# Altium PCB shield.pcbdoc (part 2 of 2)
Units mm, origin at the board's own origin, x right, y up, seen from the top; angles counter-clockwise.
Board outline 68.58 x 53.34 mm, 2 copper layers (Top Layer, Bottom Layer), stack 0.981 mm thick; 66 components, 65 nets, 332 pads, 495 vias.
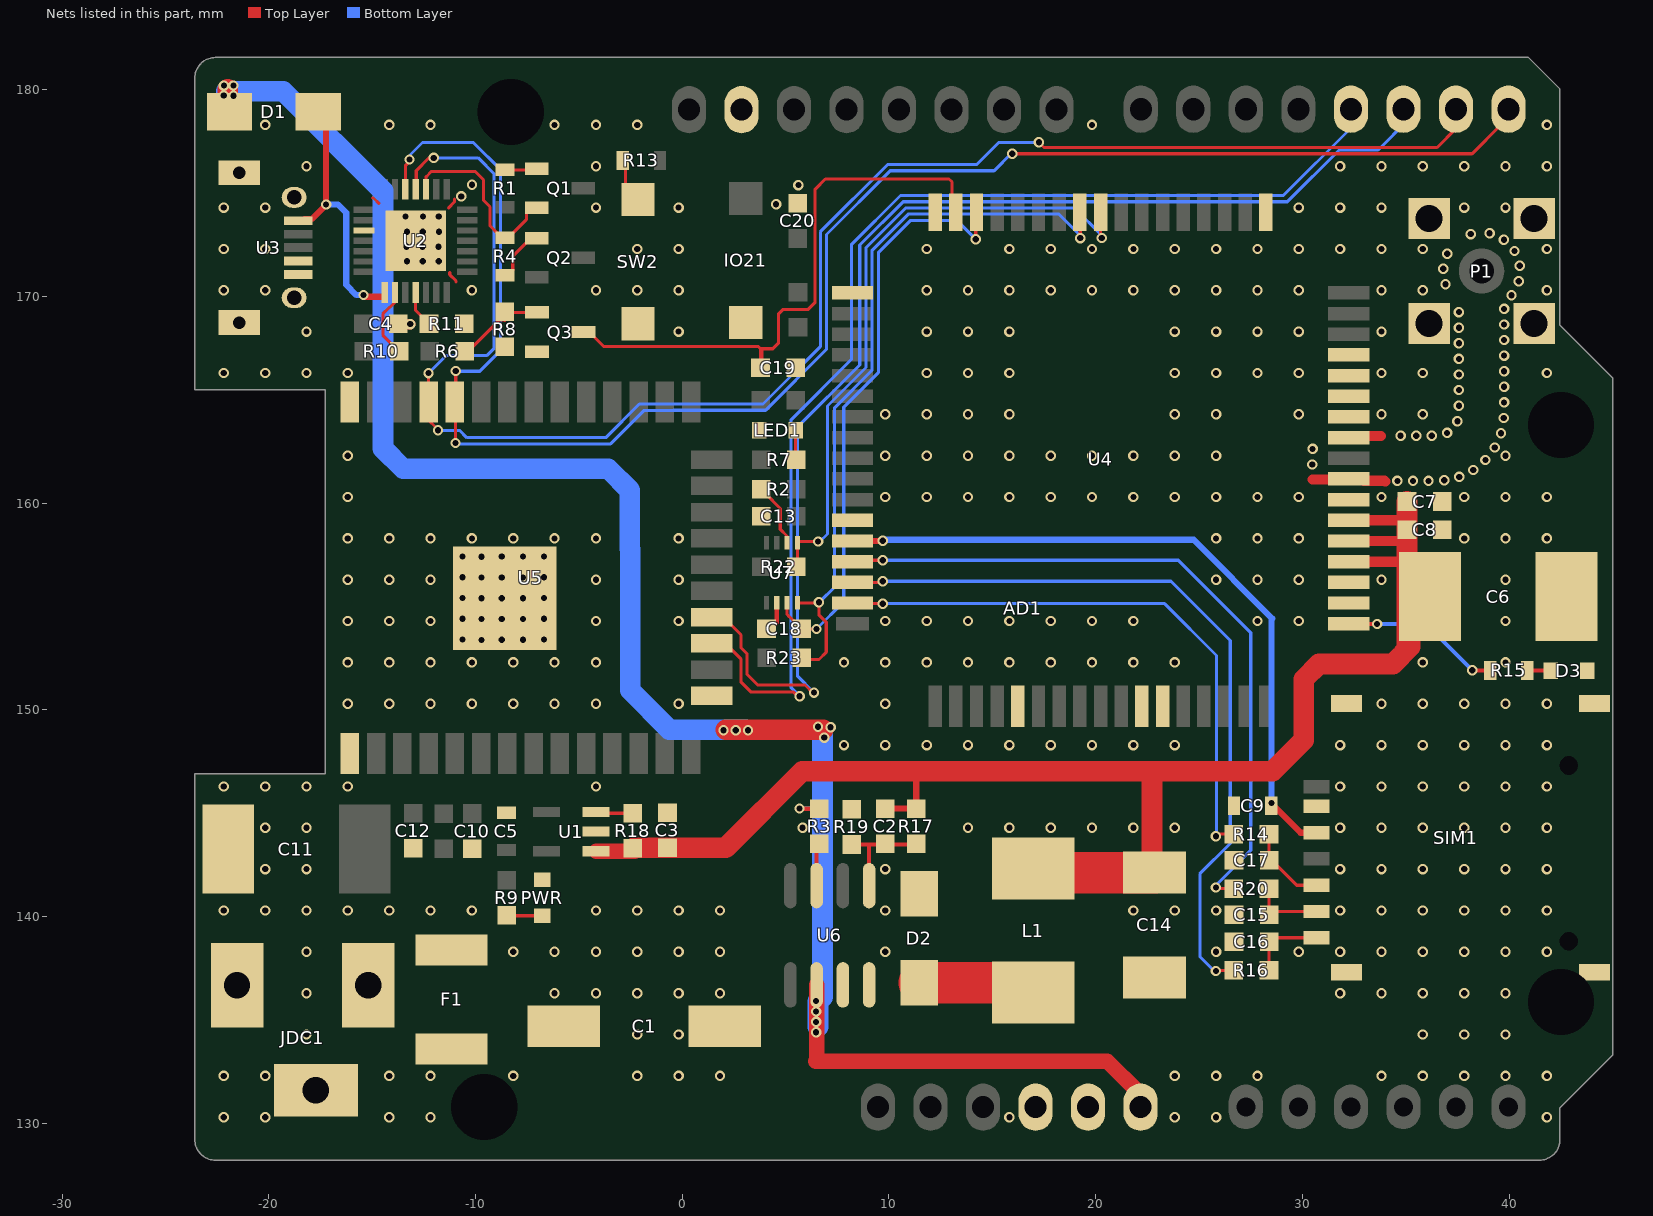
[diagram p2: the nets of this part, all layers, seen from the top]

## Via types
v1: diameter 0.5, hole 0.3, Top Layer to Bottom Layer, tented both sides, 495 vias

## Nets (pads, with @x,y where several pads share a name; then routed paths per layer and width w, separated by ;. In a path a pad name is that pad's centre, name@x,y a point inside that pad or via, vN(x,y) a via of type N, cw(c..) or ccw(c..) an arc to the next point about the centre after c; other vN are vias at no path point) (continued)
NetC2_1: C2.1 R17.1 R19.2 U6.5 | length 5.2
  Top Layer w0.2: R19.2@8.195,143.491 11.325,143.491 R17.1@11.359,143.457 ; U6.5@9.044,141.496 9.044,143.438 9.072,143.466
NetC15_2: C15.2 R20.2 SIM1.C7 | length 3.6
  Top Layer w0.15: R20.2@28.384,141.354 28.384,140.195 C15.2@28.455,140.124 ; C15.2@28.394,140.234 28.41,140.249 SIM1.C7@30.691,140.249
NetC16_2: C16.2 R16.2 SIM1.C3 | length 3.7
  Top Layer w0.15: R16.2@28.384,137.4 28.384,138.668 C16.2@28.455,138.739 ; C16.2@28.394,138.859 28.515,138.979 SIM1.C3@30.691,138.979
NetC17_2: C17.2 R14.2 SIM1.C2 | length 3.8
  Top Layer w0.15: C17.2@28.371,142.784 28.384,142.797 R14.2@28.384,143.99 ; C17.2@28.546,142.701 29.727,141.519 SIM1.C2@30.691,141.519
NetC19_2: C19.2 Q3.3 U4.16 | length 28.2
  Top Layer w0.15: Q3.3@-4.702,168.19 -4.411,168.19 -3.809,167.588 3.668,167.588 3.786,167.47 ; C19.2@3.786,166.546 C19.2@3.786,166.792 ; 3.848,167.466 3.848,166.73 C19.2@3.786,166.792 ; 6.419,169.698 6.097,169.375 4.886,169.375 4.651,169.141 4.651,167.734 4.387,167.47 3.786,167.47 ; 6.429,169.717 6.431,169.719 6.431,171.477 6.432,171.478 6.432,175.187 6.926,175.68 12.908,175.68 13.048,175.54 13.048,174.849 U4.16@13.302,174.849 ; C19.2@3.786,166.792 3.786,167.47
NetD1_1: D1.1 U2.8 U3.1 | length 12.4
  Top Layer w0.15: U2.8@-14.392,170.191 -14.392,169.984 U2.8@-14.391,169.982
  Top Layer w0.3: U3.1@-18.266,173.745 -17.925,173.745 v1(-17.226,174.445) -17.226,178.471 D1.1@-17.326,178.572 ; v1(-15.412,170.068) -15.327,169.982 U2.8@-14.391,169.982
  Bottom Layer w0.3: v1(-17.226,174.445) -16.647,174.445 -16.252,174.05 -16.252,170.564 -15.756,170.068 v1(-15.412,170.068)
NetD2_2: D2.2 L1.2 U6.3 | length 6.7
  Top Layer w0.75: D2.2@11.511,136.288 D2.2@11.784,136.561
  Top Layer w2: D2.2@11.463,136.807 17.512,136.807 L1.2@17.701,136.619
NetD3_1: D3.1 R15.1 | length 1
  Top Layer w0.2: R15.1@40.886,151.908 41.879,151.908 D3.1@41.897,151.926
NetF1_1: F1.1 JDC1.1
NetLED1_1: LED1.1 R7.2 | length 1.5
  Top Layer w0.15: R7.2@5.443,162.017 5.483,162.057 LED1.1@5.483,163.526
NetLED2_1: PWR.1 R9.2 | length 1.6
  Top Layer w0.15: R9.2@-8.344,139.966 -8.266,140.044 PWR.1@-6.766,140.044
NETLIGHT: R15.2 U4.52 | length 7.8
  Top Layer w0.2: U4.52@32.237,154.171 32.256,154.153 v1(33.616,154.153) ; v1(38.215,151.921) 38.228,151.908 R15.2@39.086,151.908
  Bottom Layer w0.2: v1(33.616,154.153) 35.984,154.153 v1(38.215,151.921)
NetQ1_1: Q1.1 R1.2 | length 1.6
  Top Layer w0.15: R1.2@-8.571,176.124 -6.973,176.124 Q1.1@-6.967,176.129
NetQ2_1: Q2.1 R4.2 | length 2.4
  Top Layer w0.15: R4.2@-8.571,171.034 -8.421,171.034 -8.196,171.259 -8.196,171.942 -7.398,172.74 Q2.1@-7.241,172.74
NetQ3_1: Q3.1 R6.2 R8.2 | length 4.2
  Top Layer w0.15: R6.2@-10.515,167.349 -10.342,167.349 -8.825,168.866 -8.6,168.866 R8.2@-8.566,168.831 ; R8.2@-8.571,168.916 -8.258,169.229 -7.156,169.229 Q3.1@-7.104,169.177
NetR2_1: R2.1 U7.6 | length 2.9
  Top Layer w0.15: R2.1@4.037,160.56 4.037,160.449 4.743,159.743 4.743,158.738 5.072,158.41 U7.6@5.072,158.076
NetR3_1: R3.1 U6.7 | length 2
  Top Layer w0.2: U6.7@6.504,141.496 6.504,143.145 R3.1@6.726,143.367
NetR10_2: R10.2 U2.9 | length 3.3
  Top Layer w0.15: R10.2@-13.92,167.435 -13.92,167.574 -14.477,168.131 -14.477,169.158 -14.17,169.466 -14.149,169.466 -13.856,169.759 -13.856,170.154 U2.9@-13.893,170.191
NetR11_2: R11.2 U2.11 | length 1.5
  Top Layer w0.15: U2.11@-12.893,170.191 -12.893,169.322 -12.612,169.041 R11.2@-12.612,168.85
NetR13_1: R13.1 SW2.2 | length 1.7
  Top Layer w0.15: R13.1@-2.875,176.578 -2.745,176.448 SW2.2@-2.745,174.959
NetR18_2: R18.2 U1.3 | length 1.6
  Top Layer w0.15: U1.3@-3.974,145.039 -3.936,145 R18.2@-2.395,145
NetR22_2: R22.2 U4.9 U7.5 | length 31
  Top Layer w0.15: U7.5@5.572,158.076 5.572,157.121 R22.2@5.655,157.038 ; U7.5@5.614,158.144 6.574,158.144 v1(6.576,158.142) ; U4.9@20.227,173.675 20.227,172.897 v1(20.299,172.825)
  Bottom Layer w0.15: v1(6.576,158.142) 6.662,158.142 7.026,158.506 7.026,164.699 8.89,166.564 8.89,172.361 10.81,174.281 18.976,174.281 v1@20.328,172.929 ; v1(20.299,172.825) 20.303,172.82 v1@20.328,172.82
NetR23_2: R23.2 U4.10 U7.4 | length 34.8
  Top Layer w0.15: U7.4@5.572,155.176 v1@6.612,155.176 ; R23.2@6.045,152.44 6.615,152.44 6.969,152.793 6.969,154.241 6.612,154.598 v1@6.612,155.176 ; v1(6.612,155.205) v1@6.612,155.176 ; v1@19.258,172.789 v1(19.258,172.821) 19.258,173.453 U4.10@19.299,173.495
  Bottom Layer w0.15: v1@6.653,155.226 7.373,155.946 7.373,164.622 9.19,166.439 9.19,172.237 10.934,173.981 18.226,173.981 19.258,172.949 v1(19.258,172.821)
RTS: Q1.2 R4.1 U2.24 | length 8.9
  Top Layer w0.15: U2.24@-12.392,175.191 -12.401,175.199 -12.401,175.771 -12.247,175.925 -12.247,175.928 -12.123,176.052 -10.021,176.052 -9.611,175.642 -9.611,174.647 -9.3,174.336 -9.3,173.413 -8.845,172.958 R4.1@-8.845,172.916 ; R4.1@-8.571,172.834 -8.421,172.834 -7.539,173.717 -7.539,174.059 -7.261,174.336 Q1.2@-7.191,174.336
RXD0_MCU: AD1.15 U2.26 U5.34 | length 80.7
  Top Layer w0.15: U2.26@-13.404,175.523 -13.392,175.534 -13.392,176.328 -13.192,176.528 v1(-13.192,176.623) ; U5.34@-11.058,164.494 -10.966,164.402 v1(-10.966,162.909) ; U5.34@-10.999,165.648 -10.955,165.692 v1(-10.955,166.391) ; v1(15.962,176.905) 38.213,176.905 AD1.15@39.611,178.303
  Bottom Layer w0.15: v1(-13.192,176.623) -13.192,176.612 v1@-13.096,176.516 ; v1@-13.171,176.767 -13.142,176.737 -13.142,176.865 -12.56,177.447 -10.103,177.447 -8.785,176.129 -8.785,167.707 -8.794,167.698 -8.794,167.378 -9.788,166.383 -10.948,166.383 v1(-10.955,166.391) ; v1@-11.087,162.873 -11.085,162.872 -3.461,162.872 -1.857,164.475 -0.412,164.475 ; -0.412,164.497 4.034,164.497 6.983,167.446 6.983,173 10.064,176.081 15.088,176.081 v1@15.932,176.925 ; v1@15.932,176.905 v1(15.962,176.905)
RXD1_MCU: AD1.18 U5.17 | length 56.1
  Top Layer w0.15: U5.17@1.435,153.218 2.091,153.218 2.841,152.469 2.841,151.359 3.338,150.862 5.391,150.862 v1@5.616,150.636 ; v1@5.616,150.663 v1(5.679,150.663)
  Bottom Layer w0.15: v1(5.679,150.663) 5.269,151.073 5.269,164.034 8.183,166.949 8.183,172.503 10.561,174.881 29.082,174.881 32.328,178.128 AD1.18@32.328,178.6
SIM_CLK: R16.1 U4.32 | length 37
  Top Layer w0.15: U4.32@8.237,156.171 9.455,156.171 ; v1@25.817,137.4 R16.1@26.684,137.4
  Bottom Layer w0.15: v1(9.706,156.222) 23.644,156.222 26.512,153.354 26.512,143.537 25.042,142.067 25.042,138.073 v1@25.791,137.325
  other v1: 25.817,137.371
SIM_DATA: R20.1 U4.31 | length 34.2
  Top Layer w0.15: U4.31@8.837,157.317 8.914,157.24 v1@9.56,157.24 ; v1@25.691,141.407 25.743,141.354 R20.1@26.684,141.354
  Bottom Layer w0.15: v1@9.56,157.24 v1@9.633,157.167 ; v1(9.706,157.24) 23.997,157.24 27.505,153.732 27.505,143.204 v1@25.783,141.482 ; v1@25.691,141.407 v1@25.775,141.49
  other v1: 25.817,141.407
SIM_GND: AD1.6 AD1.7 AD1.29 C1.2 C3.1 C4.2 C5.1 C6.2 C7.1 C8.1 C9.1 C10.2 C11.2 C12.1 C13.1 C14.1 C15.1 C16.1 C17.1 C18.1 C19.1 C20.1 D2.1 D3.2 IO21.1 JDC1.2 JDC1.3 LED1.2 P1.2 P1.3 P1.4 P1.5 PWR.2 Q3.2 R8.1 R11.1 R19.1 SIM1.1 SIM1.2 SIM1.3 SIM1.C5 SW2.1 U1.2 U2.3 U2.29 U3.4 U3.5 U3.SHIELD U4.1 U4.17 U4.18 U4.29 U4.39 U4.45 U4.46 U4.53 U4.54 U4.58 U4.59 U4.61 U4.62 U4.63 U4.64 U4.65 U5.1 U5.15 U5.38 U5.39 U6.4 U7.2 | length 8.8
  Top Layer w0.15: -14.989,174.765 -14.935,174.765 -14.659,174.489 ; -11.307,174.286 -11.289,174.286 -11.289,174.298 -11.012,174.576 -11.012,174.706 ; -11.244,171.165 -11.244,171.057 -10.94,170.753 -10.94,170.709
  Top Layer w0.2: C18.1@4.481,154.139 4.572,154.229 U7.2@4.572,155.176
  Top Layer w0.5: C4.2@-13.73,168.687 -13.705,168.662 v1(-13.158,168.662) ; 30.487,161.148 31.805,161.148 31.828,161.171 U4.59@32.237,161.171 32.912,161.171 32.992,161.091 33.957,161.091 34.003,161.046 ; U4.61@31.828,163.171 U4.61@32.237,163.171 32.912,163.171 32.992,163.252 33.785,163.252
  other v1: -22.173,130.298 -20.173,130.298 -14.173,130.298 -12.173,130.298 15.827,130.298 23.827,130.298 25.827,130.298 41.827,130.298 -22.173,132.298 -20.173,132.298 -14.173,132.298 -12.173,132.298 -8.173,132.298 -2.173,132.298 -0.173,132.298 1.827,132.298 23.827,132.298 25.827,132.298 27.827,132.298 33.827,132.298 35.827,132.298 37.827,132.298 39.827,132.298 41.827,132.298 -18.173,134.298 -2.173,134.298 -0.173,134.298 35.827,134.298 37.827,134.298 39.827,134.298 -18.173,136.298 -6.173,136.298 -4.173,136.298 -2.173,136.298 -0.173,136.298 1.827,136.298 31.827,136.298 33.827,136.298 35.827,136.298 37.827,136.298 39.827,136.298 -18.173,138.298 -8.173,138.298 -6.173,138.298 -4.173,138.298 -2.173,138.298 -0.173,138.298 1.827,138.298 9.827,138.298 25.827,138.298 29.827,138.298 31.827,138.298 33.827,138.298 35.827,138.298 37.827,138.298 39.827,138.298 41.827,138.298 -22.173,140.298 -20.173,140.298 -18.173,140.298 -16.173,140.298 -14.173,140.298 -12.173,140.298 -10.173,140.298 -4.173,140.298 -2.173,140.298 -0.173,140.298 1.827,140.298 9.827,140.298 21.827,140.298 23.827,140.298 25.827,140.298 31.827,140.298 33.827,140.298 35.827,140.298 37.827,140.298 39.827,140.298 41.827,140.298 -20.173,142.298 -18.173,142.298 9.827,142.298 31.827,142.298 33.827,142.298 35.827,142.298 37.827,142.298 39.827,142.298 41.827,142.298 -20.173,144.298 -18.173,144.298 5.827,144.298 13.827,144.298 15.827,144.298 17.827,144.298 19.827,144.298 21.827,144.298 23.827,144.298 31.827,144.298 33.827,144.298 35.827,144.298 37.827,144.298 39.827,144.298 41.827,144.298 -22.173,146.298 -20.173,146.298 -18.173,146.298 -16.173,146.298 -4.173,146.298 31.827,146.298 33.827,146.298 35.827,146.298 37.827,146.298 39.827,146.298 41.827,146.298 7.827,148.298 9.827,148.298 11.827,148.298 13.827,148.298 15.827,148.298 17.827,148.298 19.827,148.298 21.827,148.298 23.827,148.298 31.827,148.298 33.827,148.298 35.827,148.298 37.827,148.298 39.827,148.298 41.827,148.298 -16.173,150.298 -14.173,150.298 -12.173,150.298 -10.173,150.298 -8.173,150.298 -6.173,150.298 -4.173,150.298 -0.173,150.298 9.827,150.298 33.827,150.298 35.827,150.298 37.827,150.298 39.827,150.298 41.827,150.298 -16.173,152.298 -14.173,152.298 -12.173,152.298 -10.173,152.298 -8.173,152.298 -6.173,152.298 -4.173,152.298 7.827,152.298 9.827,152.298 11.827,152.298 13.827,152.298 15.827,152.298 17.827,152.298 19.827,152.298 21.827,152.298 23.827,152.298 35.827,152.298 39.827,152.298 -9.707,153.385 -8.728,153.393 -7.697,153.393 -10.626,153.402 -6.691,153.402 -16.173,154.298 -14.173,154.298 -12.173,154.298 -4.173,154.298 -0.173,154.298 9.827,154.298 11.827,154.298 13.827,154.298 15.827,154.298 17.827,154.298 19.827,154.298 21.827,154.298 27.827,154.298 29.827,154.298 39.827,154.298 -10.626,154.408 -9.707,154.391 -8.728,154.399 -7.697,154.399 -6.691,154.408 -9.707,155.397 -10.626,155.414 -8.728,155.405 -7.697,155.405 -6.691,155.414 -16.173,156.298 -14.173,156.298 -12.173,156.298 -4.173,156.298 -0.173,156.298 25.827,156.298 27.827,156.298 29.827,156.298 33.827,156.298 39.827,156.298 -9.707,156.403 -8.728,156.412 -7.697,156.412 -10.626,156.42 -6.691,156.42 -10.626,157.426 -9.707,157.409 -8.728,157.418 -7.697,157.418 -6.691,157.426 -16.173,158.298 -14.173,158.298 -12.173,158.298 -10.173,158.298 -8.173,158.298 -6.173,158.298 -4.173,158.298 -0.173,158.298 25.827,158.298 27.827,158.298 29.827,158.298 37.827,158.298 39.827,158.298 41.827,158.298 -16.173,160.298 9.827,160.298 11.827,160.298 13.827,160.298 15.827,160.298 17.827,160.298 19.827,160.298 21.827,160.298 23.827,160.298 25.827,160.298 27.827,160.298 29.827,160.298 33.827,160.298 37.827,160.298 39.827,160.298 41.827,160.298 34.597,161.078 35.351,161.078 36.105,161.078 36.859,161.105 37.594,161.273 38.271,161.605 30.48,161.872 38.853,162.085 -16.173,162.298 9.827,162.298 11.827,162.298 13.827,162.298 15.827,162.298 17.827,162.298 19.827,162.298 21.827,162.298 23.827,162.298 25.827,162.298 39.827,162.298 30.497,162.626 39.303,162.69 34.751,163.265 35.505,163.265 36.259,163.265 37.001,163.4 39.605,163.38 37.499,163.967 39.745,164.121 9.827,164.298 11.827,164.298 13.827,164.298 15.827,164.298 23.827,164.298 25.827,164.298 29.827,164.298 33.827,164.298 35.827,164.298 37.572,164.717 39.758,164.875 37.572,165.471 39.758,165.629 37.572,166.225 -22.173,166.298 -20.173,166.298 -18.173,166.298 -16.173,166.298 11.827,166.298 13.827,166.298 15.827,166.298 23.827,166.298 25.827,166.298 27.827,166.298 29.827,166.298 33.827,166.298 35.827,166.298 41.827,166.298 39.758,166.383 37.572,166.979 39.758,167.137 37.572,167.733 39.758,167.891 -18.173,168.298 -0.173,168.298 11.827,168.298 13.827,168.298 15.827,168.298 23.827,168.298 25.827,168.298 27.827,168.298 29.827,168.298 33.827,168.298 37.572,168.487 39.758,168.645 37.572,169.241 39.758,169.399 40.117,170.063 -22.173,170.298 -20.173,170.298 -10.173,170.298 -4.173,170.298 -2.173,170.298 -0.173,170.298 11.827,170.298 13.827,170.298 15.827,170.298 17.827,170.298 19.827,170.298 21.827,170.298 23.827,170.298 25.827,170.298 27.827,170.298 29.827,170.298 33.827,170.298 35.827,170.298 41.827,170.298 36.927,170.595 40.464,170.732 36.815,171.34 40.512,171.484 -13.316,171.701 -12.547,171.701 -11.778,171.701 37.01,172.068 40.263,172.196 -22.173,172.298 -20.173,172.298 -2.173,172.298 -0.173,172.298 11.827,172.298 15.827,172.298 17.827,172.298 19.827,172.298 21.827,172.298 23.827,172.298 25.827,172.298 27.827,172.298 29.827,172.298 31.827,172.298 33.827,172.298 35.827,172.298 41.827,172.298 -13.33,172.408 -12.561,172.408 -11.784,172.408 39.748,172.746 38.146,173.015 39.059,173.053 -13.316,173.127 -12.547,173.127 -11.77,173.127 -13.381,173.871 -12.541,173.871 -11.778,173.871 -22.173,174.298 -20.173,174.298 -4.173,174.298 -0.173,174.298 29.827,174.298 31.827,174.298 33.827,174.298 37.827,174.298 39.827,174.298 4.543,174.464 -10.69,174.84 5.62,175.387 -10.171,175.403 -18.173,176.298 -4.173,176.298 31.827,176.298 33.827,176.298 35.827,176.298 37.827,176.298 39.827,176.298 41.827,176.298 -20.173,178.298 -14.173,178.298 -12.173,178.298 -6.173,178.298 -4.173,178.298 -2.173,178.298 19.827,178.298 41.827,178.298
SIM_RST: R14.1 U4.33 | length 28.3
  Top Layer w0.15: U4.33@8.237,155.171 8.269,155.139 v1@9.511,155.139 ; v1@25.817,143.99 R14.1@26.684,143.99
  Bottom Layer w0.15: v1@9.511,155.139 v1(9.706,155.139) 23.34,155.139 25.847,152.633 v1@25.847,143.897
  other v1: 25.817,143.889
SIM_VDD: C9.2 SIM1.C1 U4.30 | length 33.5
  Top Layer w0.3: U4.30@8.237,158.171 9.717,158.171 v1(9.706,158.182) ; C9.2@28.587,145.385 29.913,144.059 SIM1.C1@30.691,144.059
  Bottom Layer w0.3: v1@9.716,158.229 24.742,158.229 28.55,154.421 28.513,154.384 v1(28.513,145.492)
TXD0_MCU: AD1.16 U2.25 U5.35 | length 80.1
  Top Layer w0.15: U2.25@-12.864,175.432 -12.864,176.087 -12.246,176.704 v1(-12.021,176.704) ; v1(-12.273,166.293) -12.273,164.901 U5.35@-12.265,164.893 -12.221,164.849 -12.221,164.229 -12.332,164.117 -12.332,164.081 v1@-11.838,163.586 ; v1(17.254,177.455) 17.504,177.205 36.52,177.205 37.424,178.109 AD1.16@37.424,179.056
  Bottom Layer w0.15: v1(-12.273,166.293) -11.428,167.137 -9.459,167.137 -9.094,167.502 -9.094,175.927 -9.871,176.704 v1(-12.021,176.704) ; v1@-11.811,163.516 -10.761,163.516 -10.416,163.172 -3.697,163.172 -2.072,164.797 3.91,164.797 6.683,167.57 6.683,173.124 9.94,176.381 14.255,176.381 15.329,177.455 v1(17.254,177.455)
  other v1: -11.811,163.523
TXD1_MCU: AD1.17 U5.18 | length 59.6
  Top Layer w0.15: U5.18@1.435,154.488 1.45,154.504 1.97,154.504 2.845,153.628 2.845,153.003 3.141,152.707 3.141,151.715 3.654,151.201 5.943,151.201 v1@6.316,150.828
  Bottom Layer w0.15: v1(6.376,150.837) 5.569,151.644 5.569,163.666 8.59,166.688 8.59,172.486 10.686,174.581 29.27,174.581 31.777,177.087 33.664,177.087 AD1.17@35.103,178.526
VBAT: C2.2 C3.2 C6.1 C7.2 C8.2 C14.2 L1.1 R17.2 R18.1 U1.1 U4.55 U4.56 U4.57 | length 75.3
  Top Layer w0.3: C2.2@9.819,145.225 11.009,145.225 R17.2@11.056,145.272 ; 11.282,147.163 11.319,147.126 11.319,147.036 R17.2@11.319,145.217
  Top Layer w0.5: U4.55@32.237,157.171 35.06,157.171 35.264,157.171 C6.1@35.342,157.093 ; U4.56@32.237,158.171 34.964,158.171 34.973,158.181 ; U4.57@32.237,159.171 34.953,159.171 34.992,159.211
  Top Layer w0.75: U1.1@-4.167,143.165 R18.1@-2.286,143.165
  Top Layer w1: R18.1@-2.336,143.336 -2.325,143.324 C3.2@-0.712,143.324 2.099,143.324 5.811,147.036 11.319,147.036 22.729,147.036 ; C14.2@22.729,142.668 22.729,147.033 28.558,147.033 30.064,148.539 30.064,151.484 30.801,152.221 34.384,152.221 35.223,153.059 C6.1@35.223,153.695 ; 34.906,152.793 35.06,152.947 35.06,157.171 C8.2@35.06,158.707 C7.2@35.06,160.081
  Top Layer w2: L1.1@16.987,142.121 C14.2@22.871,142.121
VDD_EXT: C18.2 U4.15 U7.3 | length 28.2
  Top Layer w0.15: U7.3@5.072,155.176 5.072,154.626 5.184,154.514 5.193,154.514 5.494,154.213 C18.2@5.494,153.999 ; C18.2@5.78,153.927 5.79,153.917 v1(6.494,153.917) ; v1(14.2,172.765) 14.2,173.612 U4.15@14.247,173.659
  Bottom Layer w0.15: v1(6.494,153.917) 7.815,155.238 7.815,164.64 9.49,166.315 9.49,172.113 11.058,173.681 13.284,173.681 v1(14.2,172.765)
Vin: AD1.8 C1.1 D1.2 F1.2 R3.2 U6.2 | length 93.4
  Top Layer w0.2: v1(5.678,145.234) 5.695,145.217 R3.2@6.634,145.217
  Top Layer w0.75: 6.472,133.015 20.558,133.015 22.07,131.502 AD1.8@22.07,130.809 ; U6.2@6.504,136.696 6.504,135.029 6.504,133.734 6.507,133.732 6.507,133.059
  Top Layer w1: -21.989,180.015 -21.983,180.009 D1.2@-21.983,178.759 ; v1@2.114,149.044 2.122,149.036 6.817,149.036 6.825,149.044
  Bottom Layer w0.2: v1(5.678,145.234) 6.416,145.234 6.449,145.202
  Bottom Layer w1: v1@-22.059,179.927 -19.294,179.927 -14.474,175.107 -14.474,162.643 -13.493,161.662 -3.579,161.662 -2.53,160.612 -2.53,157.791 -2.515,157.776 -2.515,150.947 -0.612,149.044 v1@3.07,149.044 ; 6.57,134.666 6.57,135.896 6.79,136.115 v1@6.79,148.863
  other v1: 6.478,134.404 6.478,134.909 6.478,135.413 6.478,135.918 6.869,148.661 1.996,149.019 2.591,149.019 3.187,149.019 7.18,149.165 6.574,149.185 -22.173,179.717 -21.701,179.713 -22.169,180.198 -21.71,180.206
pads on no net: AD1. SIM1.7 SIM1.8 SIM1.C6 SIM1.CD U1.4 U2.1 U2.2 U2.10 U2.12 U2.13 U2.14 U2.15 U2.16 U2.17 U2.18 U2.19 U2.20 U2.21 U2.22 U2.23 U2.27 U4.2 U4.3 U4.4 U4.5 U4.6 U4.7 U4.8 U4.11 U4.12 U4.13 U4.14 U4.19 U4.20 U4.21 U4.22 U4.23 U4.24 U4.25 U4.26 U4.27 U4.28 U4.34 U4.35 U4.36 U4.37 U4.38 U4.40 U4.41 U4.42 U4.43 U4.44 U4.47 U4.48 U4.49 U4.50 U4.51 U4.66 U4.67 U4.68 U5.4 U5.5 U5.19 U5.20 U5.21 U5.22 U5.32 U6.1 U6.6 U6.8

## Polygon pours and split planes (outlines as drawn)
SIM_GND on Bottom Layer "Bottom Layer-SIM_GND" (solid, remove dead copper, shelved, pour order 2): -23.628,127.961 41.718,127.961 42.422,128.665 42.422,130.52 44.995,133.093 44.995,165.827 42.45,168.372 42.45,179.717 40.789,181.377 40.789,181.46 -22.711,181.46 -23.73,180.441
SIM_GND on Top Layer "Top Layer-SIM_GND" (solid, remove dead copper, shelved, pour order 0): -23.608,128.321 41.738,128.321 42.442,129.025 42.442,130.88 45.015,133.453 45.015,166.187 42.469,168.733 42.469,180.077 40.809,181.738 40.809,181.821 -22.691,181.821 -23.711,180.801

## Keep-outs
Keep-Out Layer:
  the board outline again, w0.254

## Other copper
Top Layer:
  rectangle net SIM_GND: -14.676,170.934 -11.121,174.466
  pour cut-out: -13.013,137.181 -13.013,134.786 -12.982,134.755 -9.312,134.755 -9.265,134.802 -9.265,137.228 -9.732,137.228
  region net NetD2_2: 7.39,137.616 7.39,134.174 7.741,133.822 18.654,133.822 18.974,134.142 18.974,137.734 18.91,137.797 10.523,137.797 10.374,137.648 10.374,134.995 10.16,134.781 8.434,134.781 8.173,135.042 8.174,137.922 8.106,137.99 7.461,137.99 7.39,137.919
  region net Vin: 6.768,137.848 6.959,137.656 6.959,129.922 6.498,129.46 -6.478,129.46 -6.903,129.885 -6.903,132.55 -7.414,133.061 -6.861,133.615 -4.047,133.615 -4.047,131.378 -3.588,130.919 5.277,130.919 5.604,131.246 5.604,135.007 6.008,135.411 6.008,137.711 6.141,137.844
  region net NetF1_1: -9.426,139.333 -9.697,139.604 -16.043,139.604 -16.443,139.204 -16.443,137.738 -15.711,137.005 -9.589,137.005 -9.418,137.176
  region net Vin: -12.88,133.998 -12.88,135.128 -12.34,135.668 -4.036,135.668 -4.036,133.163 -4.362,132.836 -10.882,132.836
  pour cut-out: 20.465,142.846 20.465,135.837 20.49,135.812 13.555,135.812 13.53,135.788 13.53,142.821
Multi-Layer:
  pour cut-out: -24.442,165.627 -17.434,165.627 -17.337,165.53 -17.337,146.849 -17.239,146.751 -24.344,146.751

## Silkscreen, mask and mechanical layers (free items; w line width, h text height)
Top Overlay:
  rectangle: 22.417,160.426 22.917,161.626
  rectangle: 22.417,168.226 22.917,169.426
  rectangle: 20.751,160.426 21.251,161.626
  rectangle: 21.584,160.426 22.084,161.626
  rectangle: 21.584,168.226 22.084,169.426
  rectangle: 20.751,168.226 21.251,169.426
  rectangle: 19.084,160.426 19.584,161.626
  rectangle: 19.084,168.226 19.584,169.426
  rectangle: 17.417,160.426 17.917,161.626
  rectangle: 17.417,168.226 17.917,169.426
  region: 23.467,163.509 23.467,163.009 24.667,163.009 24.667,163.509
  region: 23.467,162.676 23.467,162.176 24.667,162.176 24.667,162.676
  region: 23.467,165.176 23.467,164.676 24.667,164.676 24.667,165.176
  region: 23.467,166.009 23.467,165.509 24.667,165.509 24.667,166.009
  region: 23.467,166.843 23.467,166.343 24.667,166.343 24.667,166.843
  region: 23.467,167.676 23.467,167.176 24.667,167.176 24.667,167.676
  rectangle: 19.917,160.426 20.417,161.626
  rectangle: 18.251,160.426 18.751,161.626
  region: 15.667,163.509 15.667,163.009 16.867,163.009 16.867,163.509
  region: 15.667,162.676 15.667,162.176 16.867,162.176 16.867,162.676
  region: 15.667,165.176 15.667,164.676 16.867,164.676 16.867,165.176
  region: 15.667,166.009 15.667,165.509 16.867,165.509 16.867,166.009
  region: 15.667,166.843 15.667,166.343 16.867,166.343 16.867,166.843
  region: 15.667,167.676 15.667,167.176 16.867,167.176 16.867,167.676
  rectangle: 18.251,168.226 18.751,169.426
  rectangle: 19.917,168.226 20.417,169.426
  region: 23.467,164.343 23.467,163.843 24.667,163.843 24.667,164.343
  region: 15.667,164.343 15.667,163.843 16.867,163.843 16.867,164.343
  text "RX2" at 26.421,180.342 h1.2
  text "TX2" at 28.797,180.342 h1.2
  text "RX1" at 31.546,180.342 h1.2
  text "TX1" at 33.795,180.342 h1.2
  text "GND" at 1.078,175.799 h1.4
  text "IO09" at 33.646,174.917 h1.4 r90
  text "TXD" at 38.71,174.763 h1.4 r90
  text "RST" at 1.64,174.741 h1.4 r90
  text "RXD" at 41.247,174.749 h1.4 r90
  text "IO14" at 23.473,174.454 h1.4 r90
  text "IO18" at 6.676,174.43 h1.4 r90
  text "IO19" at 9.205,174.43 h1.4 r90
  text "IO13" at 16.79,174.43 h1.4 r90
  text "IO12" at 19.319,174.43 h1.4 r90
  text "IO16" at 28.615,174.443 h1.4 r90
  text "IO17" at 31.157,174.451 h1.4 r90
  text "IO10" at 36.186,174.42 h1.4 r90
  text "IO23" at 11.706,174.328 h1.4 r90
  text "IO05" at 14.26,174.34 h1.4 r90
  text "IO27" at 26.027,174.324 h1.4 r90
  text "RST" at -4.277,165.924 h1.4
  text "A" at 17.25,164.998 h4.5
  text "HT" at 20.044,164.998 h3
  text "L" at 17.53,162.255 h4.5
  text "AB" at 19.181,162.255 h3
  text "IO2" at 7.753,161.639 h1.4 r90
  text "www.ahtlab.com" at 10.681,154.981 h3
  text "ESP32-GSM SIM V2.2" at 11.381,146.754 h2
  text "RST" at 10.686,132.099 h1.8 r90
  text "3V3" at 13.226,132.099 h1.8 r90
  text "GND" at 18.306,132.099 h1.8 r90
  text "GND" at 20.846,132.099 h1.8 r90
  text "VIN" at 23.387,132.099 h1.8 r90
  text "IO02" at 28.541,132.099 h1.8 r90
  text "IO04" at 31.062,132.099 h1.8 r90
  text "IO32" at 33.582,132.099 h1.8 r90
  text "IO34" at 36.103,132.099 h1.8 r90
  text "IO35" at 38.623,132.099 h1.8 r90
  text "IO26" at 41.144,132.099 h1.8 r90
  text "VIN : 4.5-20V" at -23.298,128.516 h1.5
Bottom Overlay:
  text "ESP32 WiFi/BLE 4.2 /   SIMCOM  2G 3G" at 33.481,157.856 h3.8
  text "UART2_RX(IO 16)<-> GSM_TXD / UART2_TX(IO 17)<-> GSM_RXD / ESP32_IO22         <-> GSM_RST / ESP32_IO21         <-> BUTTON / ESP32_IO02         <-> LED" at 32.099,143.559 h2.5
Bottom Solder:
  rectangle: -13.656,170.813 -9.744,174.633
  rectangle: -13.897,150.479 -5.447,159.446
Mechanical 7:
  lines w0.2: -27.872,131.528 -14.831,131.528 ; -26.659,160.128 -19.874,160.128 ; -26.297,136.502 -11.846,136.502 ; -25.264,172.336 -19.779,172.336 ; -22.188,165.074 -14.959,165.074 ; -21.998,167.516 -15.054,167.516 ; -19.842,160.128 -19.842,172.431 ; -17.898,130.008 -17.898,139.292 ; -16.988,162.252 -16.988,169.133 ; -14.858,131.528 -14.858,140.204 ; -11.846,129.069 -11.846,139.237 ; 38.454,156.167 46.46,156.167 ; 39.409,153.616 46.285,153.616 ; 40.013,149.116 40.013,159.985 ; 42.564,148.376 42.564,160.063 ; 44.759,158.395 53.583,158.395
Mechanical 15:
  lines w0.1: -28.896,168.899 -28.896,159.899 -19.896,159.899 ; 5.732,172.715 14.732,172.715 14.732,163.715 ; 15.672,160.413 24.672,160.413 24.672,169.413 15.672,169.413 15.672,160.413
Mechanical 22:
  circle w0.254: c9.429,174.688 r0.254
  lines w0.305: 16.541,172.148 17.684,171.005 25.812,171.005 ; 36.48,171.005 36.491,170.993 44.596,170.993 45.751,172.148
  text "1" at 48.737,174.539 h1.21 r90
  text "9" at 26.893,174.136 h1.21 r90
  text "8" at 29.433,174.136 h1.21 r90
  text "7" at 33.497,174.136 h1.21 r90
  text "6" at 36.037,174.136 h1.21 r90
  text "5" at 38.577,174.136 h1.21 r90
  text "4" at 41.117,174.136 h1.21 r90
  text "3" at 43.657,174.136 h1.21 r90
  text "2" at 46.197,174.136 h1.21 r90
  text "0" at 51.277,174.136 h1.21 r90
  text "11" at 21.813,173.532 h1.21 r90
  text "13" at 16.733,173.129 h1.21 r90
  text "12" at 19.273,173.129 h1.21 r90
  text "10" at 24.353,173.129 h1.21 r90
Mechanical 35:
  lines w0.2: -15.209,176.72 50.831,176.72 ; -11.018,129.222 -11.018,138.239 ; -8.859,158.02 -8.859,170.02 ; -7.081,128.333 -7.081,135.826 ; 6.127,176.72 6.127,183.705 ; 15.271,123.888 15.271,128.46 59.467,128.46 ; 33.051,176.72 33.051,181.419 ; 50.958,146.621 50.958,156.4 ; 50.958,153.86 60.61,153.86 ; 53.498,148.272 53.498,156.4 ; -19.019,158.051 -3.271,158.051 -3.271,169.989 -19.019,169.989 -19.019,158.051 ; -14.574,129.222 -0.985,129.222 -0.985,138.239 -14.32,138.239 -14.574,138.239 -14.574,129.222
  text "L" at 16.922,167.576 h1.97
  text "TX" at 16.668,161.988 h1.97
  text "ON" at 42.068,161.734 h1.97
  text "RX" at 16.922,159.575 h1.97

## Text inside footprints (layer, text, board x,y; h text height)
U5: Mechanical 4 "ANTENNA" at -19.216,150.668 h1.88 r90; Mechanical 4 "ANTENNA" at -19.216,150.668 h1.88 r90